# Altium PCB BMS.PcbDoc (part 2 of 2)
Units mil, origin at the board's own origin, x right, y up, seen from the top; angles counter-clockwise.
Board outline 3724.71 x 1020 mil, 4 copper layers (Component Side, Ground Plane, Power Plane, Solder Side), stack 33.234 mil thick; 191 components, 131 nets, 588 pads, 557 vias.
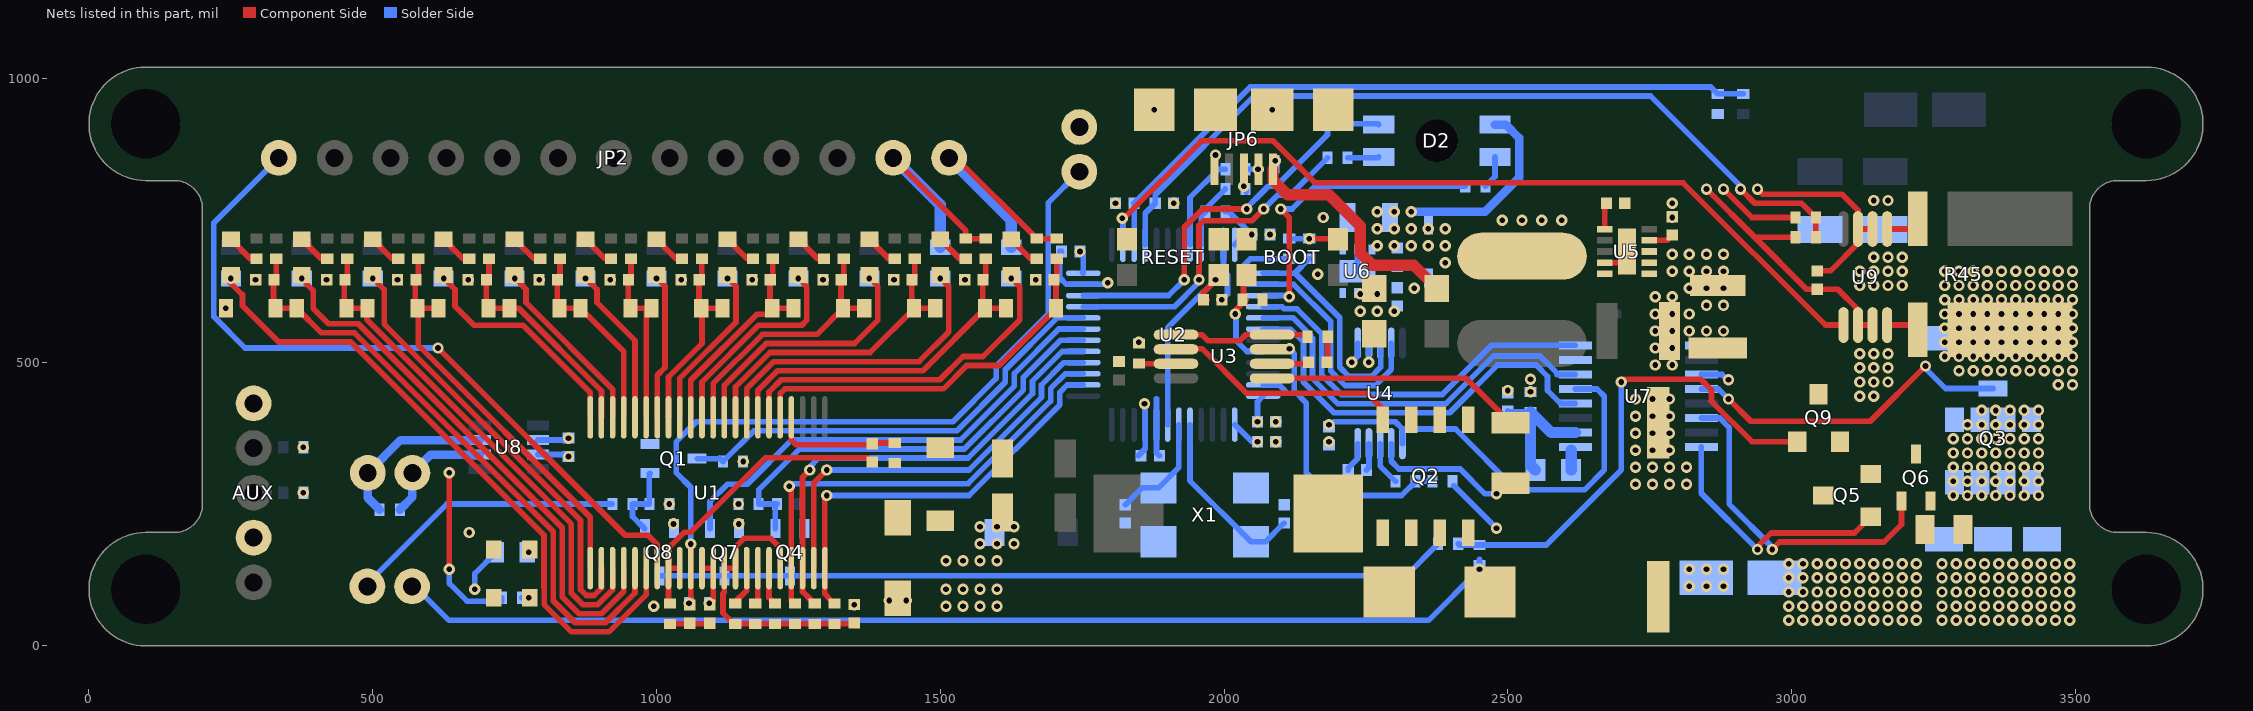
[diagram p4: the nets of this part, all layers, seen from the top]

## Via types
v1: diameter 20, hole 10, Component Side to Solder Side, 556 vias
v2: diameter 20, hole 10, Component Side to Solder Side, tented top, 1 vias

## Nets (pads, with @x,y where several pads share a name; then routed paths per layer and width w, separated by ;. In a path a pad name is that pad's centre, name@x,y a point inside that pad or via, vN(x,y) a via of type N, cw(c..) or ccw(c..) an arc to the next point about the centre after c; other vN are vias at no path point) (continued)
CELL11: JP2.12 R32_11.2 R33_11.2 R34_11.2 | length 422
  Component Side w10: JP2.12@1417.13,860 1545,732.13 R34_11.2@1545,717.72 R32_11.2@1580,717.72
  Solder Side w20: JP2.12@1417.13,860 1500,777.13 R33_11.2@1500,702.56
CELL12: JP2.13 R32_12.2 R33_12.2 R34_12.2 | length 451.2
  Component Side w10: JP2.13@1515.55,860 1527.72,860 R34_12.2@1670,717.72 R32_12.2@1705,717.72
  Solder Side w20: JP2.13@1515.55,860 1625,750.55 R33_12.2@1625,702.56
CHARGE_GATE: Q5.1 U7.16 | length 447.6
  Component Side w10: v1(2940,170) 2940,175 2964,199 3110.77,199 Q5.1@3139.37,227.6
  Solder Side w10: U7.16@2841,350.43 2841,269 v1(2940,170)
GND: AUX.1 C1.1 C3.1 C4.1 C5.1 C6.1 C7.1 C8.1 C9.1 C10.1 C11.1 C12.2 C13.1 C14.1 C16.1 C17.1 C18.1 C19.1 C20.2 C21.1 C22_1.1 C22_2.1 C22_3.1 C22_4.1 C22_5.1 C22_6.1 C22_7.1 C22_8.1 C22_9.1 C22_10.1 C22_11.1 C22_12.1 C23.1 C24.1 C25.1 C26.1 C27.1 C28.1 C30.1 C31.1 C32.1 D1.2 D3.2 D5.2 D6.C D7_1.2 D11.2 D12.C D13.2 D14.2 F1.1 F2.1 JP1.2 JP2.1 JP6.GND JP6.MT1 JP6.MT2 JP6.P$1 JP6.P$2 Q1.2 Q4.2 Q7.2 Q8.2 R8.1 R18.2 R22.1 R23.1 R26.1 R27.2 R29.1 R37.1 R41.1 RESET.3 RESET.4 U1.29 U2.8 U2.23 U2.35 U2.47 U3.4 U3.5 U4.2 U4.4 U4.6 U5.1 U5.9 U5.11 U6.2 U6.6 U6.7@2235,660 U7.7 U7.9 U8.2 U9.2 U9.3 X1.2 | length 3016.3
  Component Side w10: v1(615,525) 945,195 985,195 1001.42,178.58 U1.29@1001.42,137.13 ; R8.1@1023.6,39.01 1092.38,39.01 C4.1@1093.6,40.23 ; U3.5@1915.35,548.39 1960.92,548.39 1971.3,538 2028,538 2038.39,548.39 U3.4@2084.65,548.39 2143.9,548.39 R26.1@2147.28,545 ; U5.9@2671.02,675.31 2705.31,675.31 2710,680 U5.11@2710,695 ; v1(2880,805) 2930,755 R23.1@3007.28,755 ; v1(2940,805) 2949,796 3089,796 3117.2,767.8 U9.3@3117.2,734.65 ; C32.1@3045,660.83 3068.52,660.83 3117.2,709.51 U9.3@3117.2,734.65 ; U9.2@3142.8,734.65 U9.3@3117.2,734.65
  Solder Side w10: JP2.1@334.45,860 220,745.55 220,580 275,525 v1(615,525) ; U8.2@791.18,362.8 841.65,362.8 v1(845,366.14) ; C9.1@1713.86,695 1710.5,695 1710.5,648.76 1722.21,637.05 U2.23@1752.01,637.05 1797.05,637.05 1797.05,637.95 v1(1795,640) ; 1880.95,435.31 1880.95,433.75 1881,433.7 1881,390.05 U2.8@1880.95,390 1880.95,340.2 C10.1@1886.14,335 ; v1(1996.14,610) 2006,619.86 2006,653.7 1999.06,660.64 U2.35@1999.06,706.93 ; U2.47@2068.94,459.88 2097.36,459.88 2108,449.24 ; v1(2225,500) 2235.63,510.63 U4.6@2235.63,533.58 ; U6.7@2235,660 U6.2@2235,698.39 ; C18.1@2251.14,310 2255.31,314.17 U4.4@2255.31,356.42 ; U4.2@2294.69,356.42 2294.69,325.31 2308.17,311.83 2416.13,311.83 2459.96,268 v1(2480,268)
  other v1: 2995,45 3020,45 3045,45 3070,45 3095,45 3120,45 3145,45 3170,45 3195,45 3220,45 995,70 1510,70 1540,70 1570,70 1600,70 2995,70 3020,70 3045,70 3070,70 3095,70 3120,70 3145,70 3170,70 3195,70 3220,70 1348.6,72.47 2995,95 3020,95 3045,95 3070,95 3095,95 3120,95 3145,95 3170,95 3195,95 3220,95 1510,100 1540,100 1570,100 1600,100 2995,120 3020,120 3045,120 3070,120 3095,120 3120,120 3145,120 3170,120 3195,120 3220,120 2995,145 3020,145 3045,145 3070,145 3095,145 3120,145 3145,145 3170,145 3195,145 3220,145 1510,150 1540,150 1570,150 1600,150 1570,180 1600,180 1630,180 670,200 1570,210 1600,210 1630,210 1030,215 1145,215 1022.72,250 1144.57,250 2725,285 2755,285 2785,285 2815,285 2725,315 2755,315 2785,315 2815,315 2725,345 2755,345 2785,345 2091.14,360 2185,360 2725,375 2755,375 2785,375 2091.14,395 2725,405 2755,405 2785,405 2725,435 2755,435 2785,435 3120,440 3145,440 2500,450 3120,465 3145,465 3170,465 3120,490 3145,490 3170,490 2760,495 2790,495 3120,515 3145,515 3170,515 2760,525 2790,525 1850,535 2760,555 2790,555 2820,555 2850,555 2880,555 2760,585 2790,585 2820,585 241.1,595 2760,615 2790,615 2335,630 3120,635 3145,635 3170,635 3195,635 293.5,645 418.5,645 543.5,645 668.5,645 793.5,645 918.5,645 1043.5,645 1168.5,645 1293.5,645 1418.5,645 1543.5,645 1668.5,645 2165,655 3120,660 3145,660 3170,660 3195,660 2390,675 3145,685 3170,685 3195,685 2390,705 2081.14,725 2390,735 2490,750 2525,750 2560,750 2595,750 2175,755 2790,755 1808.86,780 1911.14,780 2790,780 3145,785 3170,785 1985,865 1877,945 2085,945
I2C.SCL: R15.1 U2.38 U4.9 | length 564.4
  Solder Side w10: R15.1@2115,682.28 2046.38,682.28 2027.43,663.33 2027.43,650.14 2040.52,637.05 U2.38@2068.94,637.05 2122.65,637.05 2188,571.7 2188,484.37 2213.37,459 2250.93,459 2266.3,458.98 ; 2266.33,459 2266.63,459 2294.69,487.06 U4.9@2294.69,533.58
I2C.SDA: R14.1 U2.37 U4.8 | length 418.6
  Solder Side w10: U2.37@2068.94,656.73 2125.59,656.73 ; R14.1@2150,682.28 2150,682.04 2125.59,657.64 2125.59,656.73 ; U4.8@2275,533.58 2275,509.7 2276,508.7 2276,491.3 2259.67,474.98 2258.63,474.98 2220,475 2204,491 2204,578.33 2125.59,656.73
L+: Q3.2 R38.1
  other v1: 3265,45 3290,45 3315,45 3340,45 3365,45 3390,45 3415,45 3440,45 3465,45 3490,45 3265,70 3290,70 3315,70 3340,70 3365,70 3390,70 3415,70 3440,70 3465,70 3490,70 3265,95 3290,95 3315,95 3340,95 3365,95 3390,95 3415,95 3440,95 3465,95 3490,95 3265,120 3290,120 3315,120 3340,120 3365,120 3390,120 3415,120 3440,120 3465,120 3490,120 3265,145 3290,145 3315,145 3340,145 3365,145 3390,145 3415,145 3440,145 3465,145 3490,145 3285,265 3310,265 3335,265 3360,265 3385,265 3410,265 3435,265 3285,290 3310,290 3335,290 3360,290 3385,290 3410,290 3435,290 3285,315 3310,315 3335,315 3360,315 3385,315 3410,315 3435,315 3285,340 3310,340 3335,340 3360,340 3385,340 3410,340 3435,340 3285,365 3310,365 3335,365 3360,365 3385,365 3410,365 3435,365 3310,390 3335,390 3360,390 3385,390 3410,390 3435,390 3335,415 3360,415 3385,415 3410,415 3435,415
LED_B: R20.1 U2.39 | length 549.8
  Component Side w10: v1(2100,770) 2115,755 v1(2115,615)
  Solder Side w10: U2.39@2068.94,617.36 2112.64,617.36 v1(2115,615) ; v1(2100,770) 2120,770 2160,810 R20.1@2425,810
LED_G: R19.1 U2.21 | length 594.3
  Component Side w10: v1(1956,645) 1956,741 1964,749 2048.7,749 v1@2069,769.3
  Solder Side w10: U2.21@1752.31,597.68 1912.68,597.68 1956,641 v1(1956,645) ; v1@2071.17,771.17 2094,794 2116.28,794 R19.1@2182.28,860
  other v1: 2070,770
LED_R: R25.1 U2.22 | length 625.2
  Component Side w10: v1(1930,645) 1930,737.63 1962.37,770 v1(2040,770)
  Solder Side w10: U2.22@1752.01,617.36 1902.36,617.36 v1(1930,645) ; v1(2040,770) 2037.96,770 2051.13,783.17 2057.57,789.62 2077.96,810 2091.42,810 2182.28,900.86 R25.1@2182.28,920
LOAD_GATE: Q3.1 U7.12 | length 596.8
  Component Side w10: v1(2889,435) 2928,396 3138.67,396 v1(3236,493.33)
  Solder Side w10: U7.12@2841,452.8 2871.2,452.8 v1(2889,435) ; v1(3236,493.33) 3236,489 3271.42,453.58 Q3.1@3355,453.58
NetBOOT_2: BOOT.2 R18.1 U2.44 | length 173.9
  Component Side w10: v1(2020,585) 2020,591.42 2038.58,610 2034.29,610 BOOT.2@2034.29,638.5
  Solder Side w10: v1@2020,590.43 v1(2020,585) 2021,584 2021,538.45 2040.52,518.94 U2.44@2068.94,518.94
NetC2_2: C2.2 R5.1 U1.4 | length 228.2
  Component Side w10: U1.4@1237.64,402.87 1237.64,362.36 1245.53,354.47 1380,354.47 1380,355.75 1381.97,357.72 R5.1@1420,357.72
NetC3_2: C3.2 R1.1 R2.1 R3.1 R6.2 R7.2 R9.2 U1.35 U1.36 U1.40 | length 505.1
  Component Side w10: U1.40@1217.95,137.13 1217.95,172.44 1200.39,190 1155,190 1139.21,174.21 U1.36@1139.21,137.13 U1.35@1119.53,137.13 1119.53,94.53 1117.03,92.03 1117.03,57.97 1135.99,39.01 R1.1@1243.86,39.01 1346.63,39.01 C3.2@1348.6,40.98
NetC4_2: C4.2 R4.2 U1.33 U1.34 | length 87.7
  Component Side w10: U1.33@1080.16,137.13 U1.34@1099.84,137.13 1099.84,77.97 C4.2@1093.6,71.72
  other v1: 1092.72,75
NetC5_2: C5.2 U2.5 X1.1 | length 323.1
  Solder Side w10: U2.5@1940,390 1940,290.86 X1.1@2047.36,183.5 2073.01,183.5 C5.2@2105.86,216.35
NetC6_2: C6.2 U2.6 X1.3 | length 197.3
  Solder Side w10: C6.2@1825.86,248.64 1855.72,278.5 X1.3@1884.36,278.5 1920.32,314.45 U2.6@1920.32,390
NetC12_1: C12.1 RESET.1 U2.7 | length 337.1
  Component Side w10: C12.1@1970,610 1963.86,616.14 1963.86,623.86 1964,624 1964.7,624 1985,644.3 v1(1985,645)
  Solder Side w10: U2.7@1900.63,390 1900.63,560.63 1964,624 1964.7,624 1977,636.3 1977,637 v1(1985,645)
NetC13_2: C13.2 R21.2 R22.2 U2.27 | length 1237.1
  Solder Side w10: U2.27@1841.58,706.93 1841.58,779.57 C13.2@1841.14,780 2046.14,985 2857.72,985 R22.2@2870,972.72 R21.2@2915,972.72
NetC14_2: C14.2 R23.2 R24.1 U2.28 | length 1458.1
  Component Side w10: v1(2910,805) 2935,780 3017.72,780 R23.2@3042.72,755 R24.1@3042.72,720
  Solder Side w10: U2.28@1861.26,706.93 1861.26,762.4 C14.2@1878.86,780 1878.86,795.09 2052.77,969 2751.3,969 2910,810.3 v1(2910,805)
NetC15_1: C15.1 R26.2 | length 45.7
  Component Side w10: C15.1@2181.14,500 2182.72,501.57 R26.2@2182.72,545
NetC15_2: C15.2 U3.2 | length 65.4
  Component Side w10: U3.2@2084.65,497.2 2146.06,497.2 C15.2@2148.86,500
NetC18_2: C18.2 U4.5 | length 53.4
  Solder Side w10: C18.2@2218.86,310 2218.86,313.35 2235.63,330.12 U4.5@2235.63,356.42
NetC22_1_2: C22_1.2 D7_1.1 D7_2.2 R32_1.1 U1.27 | length 1091.3
  Component Side w10: D7_1.1@328.9,595 325,598.9 325,645 330,650 R32_1.1@330,682.28 ; D7_1.1@329.39,595 D7_1.1@330.65,595 ; D7_1.1@330.02,595.63 D7_1.1@330.65,595 ; U1.27@962.05,137.13 962.05,92.99 909.78,40.72 856.83,40.72 817.93,79.62 817.93,201.56 467.83,551.66 409.44,551.66 D7_2.2@366.1,595 D7_1.1@330.65,595
NetC22_2_2: C22_2.2 D7_2.1 D7_3.2 R32_2.1 U1.25 | length 898.1
  Component Side w10: D7_2.1@453.9,595 450,598.9 450,645 455,650 R32_2.1@455,682.28 ; D7_2.1@454.39,595 D7_3.2@491.1,595 ; D7_3.2@489.22,583.66 489.22,575.52 849.93,214.81 849.93,92.88 870.09,72.72 896.53,72.72 922.68,98.87 U1.25@922.68,137.13
NetC22_3_2: C22_3.2 D7_3.1 D7_4.2 R32_3.1 U1.23 | length 711.8
  Component Side w10: D7_3.1@578.9,595 575,598.9 575,645 580,650 R32_3.1@580,682.28 ; D7_3.1@579.39,595 D7_3.1@580.02,595 ; D7_3.1@580.02,595.63 D7_3.1@580.02,595 ; D7_4.2@616.1,595 D7_3.1@580.02,595 ; U1.23@883.31,137.13 883.31,226.69 580.02,529.98 D7_3.1@580.02,595
NetC22_4_2: C22_4.2 D7_4.1 D7_5.2 R32_4.1 U1.21 | length 397.3
  Component Side w10: D7_4.1@703.9,595 700,598.9 700,645 705,650 R32_4.1@705,682.28 ; D7_4.1@704.39,595 D7_4.1@705.65,595 ; D7_4.1@705.02,595.63 D7_4.1@705.65,595 ; U1.21@902.99,402.87 902.99,449.38 757.37,595 D7_5.2@741.1,595 D7_4.1@705.65,595
NetC22_5_2: C22_5.2 D7_5.1 D7_6.2 R32_5.1 U1.19 | length 352.3
  Component Side w10: D7_5.1@828.9,595 825,598.9 825,645 830,650 R32_5.1@830,682.28 ; D7_5.1@829.39,595 D7_5.1@830.02,595 ; D7_5.1@830.02,595.94 D7_5.1@830.02,595 ; U1.19@942.36,402.87 942.36,518.74 D7_6.2@866.1,595 D7_5.1@830.02,595
NetC22_6_2: C22_6.2 D7_6.1 D7_7.2 R32_6.1 U1.17 | length 327.3
  Component Side w10: D7_6.1@953.9,595 950,598.9 950,645 955,650 R32_6.1@955,682.28 ; D7_6.1@954.39,595 D7_6.1@955.02,595 ; D7_6.1@955.02,589 D7_6.1@955.02,595 ; U1.17@981.73,402.87 D7_7.2@981.73,595 ; D7_7.2@991.1,595 D7_7.2@981.73,595 ; D7_6.1@955.02,595 955.02,595.63 D7_6.1@955.65,595 ; D7_6.1@955.02,595 D7_6.1@955.65,595 ; D7_6.1@955.65,595 D7_7.2@981.73,595
NetC22_7_2: C22_7.2 D7_7.1 D7_8.2 R32_7.1 U1.15 | length 345.2
  Component Side w10: U1.15@1021.1,402.87 1021.1,473.98 1080.02,532.91 D7_7.1@1080.02,595 ; D7_7.1@1078.9,595 1075,598.9 1075,645 1080,650 R32_7.1@1080,682.28 ; D7_7.1@1079.39,595 D7_7.1@1080.02,595 ; D7_7.1@1080.02,595.94 D7_7.1@1080.02,595 ; D7_8.2@1116.1,595 D7_7.1@1080.02,595
NetC22_8_2: C22_8.2 D7_8.1 D7_9.2 R32_8.1 U1.13 | length 390.3
  Component Side w10: U1.13@1060.47,402.87 1060.47,468.1 1176.65,584.28 1193.67,584.28 D7_8.1@1205.02,595.63 ; D7_8.1@1203.9,595 1200,598.9 1200,645 1205,650 R32_8.1@1205,682.28 ; D7_8.1@1204.39,595 D7_9.2@1241.1,595
NetC22_9_2: C22_9.2 D7_9.1 D7_10.2 R32_9.1 U1.11 | length 471.6
  Component Side w10: U1.11@1099.84,402.87 1099.84,462.21 1186.63,549 1282.9,549 D7_9.1@1328.9,595 ; R32_9.1@1330,682.28 1330,650 1325,645 1325,598.9 D7_9.1@1328.9,595 ; D7_10.2@1366.1,595 D7_9.1@1328.9,595
NetC22_10_2: C22_10.2 D7_10.1 D7_11.2 R32_10.1 U1.9 | length 554.6
  Component Side w10: U1.9@1139.21,402.87 1139.21,456.33 1199.88,517 1376.39,517 D7_10.1@1455.02,595.63 ; D7_10.1@1453.9,595 1450,598.9 1450,645 1455,650 R32_10.1@1455,682.28 ; D7_10.1@1454.39,595 D7_11.2@1491.1,595
NetC22_11_2: C22_11.2 D7_11.1 D7_12.2 R32_11.1 U1.7 | length 637.3
  Component Side w10: U1.7@1178.58,402.87 1178.58,450.45 1213.14,485 1469.39,485 D7_11.1@1579.39,595 ; D7_11.1@1580.02,595.63 D7_11.1@1579.39,595 ; R32_11.1@1580,682.28 1580,650 1575,645 1575,598.9 D7_11.1@1578.9,595 D7_11.1@1579.39,595 ; D7_12.2@1616.1,595 D7_11.1@1579.39,595
NetC22_12_2: C22_12.2 D7_12.1 R32_12.1 U1.5 | length 682.7
  Component Side w10: U1.5@1217.95,402.87 1217.95,444.56 1226.39,453 1505.63,453 1546.63,494 1604,494 1705.02,595.02 D7_12.1@1705.02,595.63 ; D7_12.1@1703.9,595 1703.9,641.1 1700,645 1705,650 R32_12.1@1705,682.28
NetC24_2: C24.2 U5.6 | length 46.8
  Component Side w10: U5.6@2671.02,734.37 2671.02,777.17 C24.2@2673.86,780
NetC25_2: C25.2 U5.4 | length 44.8
  Component Side w10: U5.4@2748.98,714.69 2780.83,714.69 C25.2@2790,723.86
NetC26_2: C26.2 D9.1 D10.1 U6.4 U6.5
  other v1: 2240,590 2270,590 2300,590 2240,620 2270,620
NetC29_1: C29.1 C30.2 R39.2 U7.2 | length 240.6
  Solder Side w10: C30.2@2500,414.25 2501.97,412.28 R39.2@2540,412.28
  Solder Side w20: C29.1@2548.5,310 2540,318.5 R39.2@2540,412.28 2576.26,376.02 U7.2@2619,376.02
NetC29_2: C29.2 U7.1 | length 35
  Solder Side w20: C29.2@2611.5,310 U7.1@2611.5,345
NetD1_1: D1.1 L1.2 R5.2
NetD2_1: D2.1 R25.2 | length 55.5
  Solder Side w10: R25.2@2217.72,920 2271.18,920 D2.1@2272.64,918.54
NetD2_3: D2.3 R20.2 | length 58.5
  Solder Side w10: R20.2@2460.43,810 2477.36,826.93 D2.3@2477.36,861.46
NetD2_4: D2.4 R19.2 | length 55.5
  Solder Side w10: R19.2@2217.72,860 2271.18,860 D2.4@2272.64,861.46
NetD4_1: D4.1 L2.2 Q2.3
NetD6_A: D6.A R31.1 | length 2.4
  Solder Side w10: R31.1@772.56,165 v1(775,165)
NetD8_1_A: D8_1.A R34_1.1 | length 59.2
  Component Side w10: D8_1.A@250,716.5 284.21,682.28 R34_1.1@295,682.28
NetD8_1_C: D8_1.C R33_1.1 U1.28 | length 1154.7
  Component Side w10: D8_1.C@248.63,649.57 248.63,640.23 269.47,619.39 270.61,619.39 270.61,599.39 334.34,535.66 461.2,535.66 801.72,195.14 801.72,102.95 801.93,102.74 801.93,73 850.2,24.72 916.41,24.72 981.73,90.04 U1.28@981.73,137.13
  other v1: 250,647.44
NetD8_2_A: D8_2.A R34_2.1 | length 59.2
  Component Side w10: D8_2.A@375,716.5 409.21,682.28 R34_2.1@420,682.28
NetD8_2_C: D8_2.C R33_2.1 U1.26 | length 962.6
  Component Side w10: D8_2.C@372.24,648.94 395,626.17 395,595 422.34,567.66 474.46,567.66 833.93,208.19 833.93,86.25 863.46,56.72 903.16,56.72 942.36,95.93 U1.26@942.36,137.13
  other v1: 375,647.44
NetD8_3_A: D8_3.A R34_3.1 | length 59.2
  Component Side w10: D8_3.A@500,716.5 534.21,682.28 R34_3.1@545,682.28
NetD8_3_C: D8_3.C R33_3.1 U1.24 | length 784.5
  Component Side w10: D8_3.C@498.63,649.57 520,628.2 520,567.37 865.93,221.44 865.93,99.51 876.71,88.72 889.9,88.72 902.99,101.81 U1.24@902.99,137.13
  other v1: 500,647.44
NetD8_4_A: D8_4.A R34_4.1 | length 59.2
  Component Side w10: D8_4.A@625,716.5 659.21,682.28 R34_4.1@670,682.28
NetD8_4_C: D8_4.C R33_4.1 U1.22 | length 404.7
  Component Side w10: D8_4.C@623.63,649.57 645,628.2 645,598.63 678.63,565 764.75,565 883.31,446.44 U1.22@883.31,402.87
  other v1: 625,647.44
NetD8_5_A: D8_5.A R34_5.1 | length 59.2
  Component Side w10: D8_5.A@750,716.5 784.21,682.28 R34_5.1@795,682.28
NetD8_5_C: D8_5.C R33_5.1 U1.20 | length 319.1
  Component Side w10: D8_5.C@748.63,649.88 770,628.51 770,605 922.68,452.32 U1.20@922.68,402.87
  other v1: 750,647.44
NetD8_6_A: D8_6.A R34_6.1 | length 59.2
  Component Side w10: D8_6.A@875,716.5 909.21,682.28 R34_6.1@920,682.28
NetD8_6_C: D8_6.C R33_6.1 U1.18 | length 283.3
  Component Side w10: D8_6.C@873.63,649.57 895,628.2 895,605 962.05,537.95 U1.18@962.05,402.87
  other v1: 875,647.44
NetD8_7_A: D8_7.A R34_7.1 | length 59.2
  Component Side w10: D8_7.A@1000,716.5 1034.21,682.28 R34_7.1@1045,682.28
NetD8_7_C: D8_7.C R33_7.1 U1.16 | length 259.4
  Component Side w10: D8_7.C@998.63,649.88 1015,633.51 1015,490.51 1001.42,476.93 U1.16@1001.42,402.87
  other v1: 1000,647.44
NetD8_8_A: D8_8.A R34_8.1 | length 59.2
  Component Side w10: D8_8.A@1125,716.5 1159.21,682.28 R34_8.1@1170,682.28
NetD8_8_C: D8_8.C R33_8.1 U1.14 | length 294.6
  Component Side w10: U1.14@1040.79,402.87 1040.79,471.04 1140,570.26 1140,633.2 D8_8.C@1123.63,649.57
  other v1: 1125,647.44
NetD8_9_A: D8_9.A R34_9.1 | length 59.2
  Component Side w10: D8_9.A@1250,716.5 1284.21,682.28 R34_9.1@1295,682.28
NetD8_9_C: D8_9.C R33_9.1 U1.12 | length 374.5
  Component Side w10: U1.12@1080.16,402.87 1080.16,465.16 1180,565 1255.89,565 1265,574.11 1265,632.44 v1(1250,647.44) 1248.63,648.81 D8_9.C@1248.63,649.57
NetD8_10_A: D8_10.A R34_10.1 | length 59.2
  Component Side w10: D8_10.A@1375,716.5 1409.21,682.28 R34_10.1@1420,682.28
NetD8_10_C: D8_10.C R33_10.1 U1.10 | length 456.7
  Component Side w10: U1.10@1119.53,402.87 1119.53,459.27 1193.25,533 1348.89,533 1390,574.11 1390,633.2 D8_10.C@1373.63,649.57
  other v1: 1375,647.44
NetD8_11_A: D8_11.A R34_11.1 | length 59.2
  Component Side w10: D8_11.A@1500,716.5 1534.21,682.28 R34_11.1@1545,682.28
NetD8_11_C: D8_11.C R33_11.1 U1.8 | length 551.1
  Component Side w10: U1.8@1158.9,402.87 1158.9,453.39 1206.51,501 1462.77,501 1515,553.23 1515,633.2 D8_11.C@1498.63,649.57
  other v1: 1500,647.44
NetD8_12_A: D8_12.A R34_12.1 | length 59.2
  Component Side w10: D8_12.A@1625,716.5 1659.21,682.28 R34_12.1@1670,682.28
NetD8_12_C: D8_12.C R33_12.1 U1.6 | length 620.8
  Component Side w10: U1.6@1198.27,402.87 1198.27,447.5 1219.76,469 1499,469 1540,510 1575.4,510 1640,574.6 1640,633.2 D8_12.C@1623.63,649.57
  other v1: 1625,647.44
NetD12_A: D12.A R35.1 | length 12.3
  Solder Side w10: R35.1@762.72,85 v1(775,85)
NetJP3_1: JP3.1 R44.2 U8.7 | length 295.2
  Solder Side w15: R44.2@512.28,240 491.26,261.02 JP3.1@491.26,305 549.06,362.8 U8.7@688.82,362.8
NetJP3_2: JP3.2 R44.1 U8.6 | length 206.4
  Solder Side w15: R44.1@547.72,240 570,262.28 JP3.2@570,305 602.2,337.2 U8.6@688.82,337.2
NetJP4_1: R40.2 SWITCH.1 | length 489.6
  Solder Side w10: SWITCH.1@490.63,110 630.63,250 R40.2@922.28,250
NetL3_1: L3.1 U5.10
NetL4_1: L4.1 U6.1
NetQ1_1: Q1.1 Q8.1 R40.1 R41.2 | length 136.9
  Solder Side w10: Q8.1@979.41,206.54 957.72,228.23 R40.1@957.72,250 R41.2@987.28,250 987.28,303.23 Q1.1@988.46,304.41
NetQ2_1: Q2.2 U3.6 | length 424.7
  Component Side w10: U3.6@1919.24,526 1921.4,523.84 1961.16,523.84 2040,445 2252.16,445 2280,417.16 Q2.2@2280,398.33
NetQ2_3: Q2.1 R29.2 U3.1 | length 469.5
  Component Side w10: U3.1@2084.65,471.61 2426.54,471.61 R29.2@2505,393.15 ; Q2.1@2330,398.33 Q2.1@2330,415
NetQ4_1: Q4.1 R36.1 R37.2 U2.18 | length 796.1
  Solder Side w10: Q4.1@1209.41,206.54 1209.41,247.13 R36.1@1212.28,250 R37.2@1180,250 1180,275 1252,347 1542.25,347 1646.5,451.24 1646.5,473.3 1711.82,538.62 U2.18@1752.01,538.62
NetQ4_3: Q4.3 Q7.3 Q8.3 R43.1 | length 1395.7
  Solder Side w10: Q8.3@1005,123.46 Q7.3@1120,123.46 Q4.3@1235,123.46 2320.75,123.46 R43.1@2377.28,180
NetQ6_2: Q6.2 R38.2
NetQ7_1: Q7.1 U2.19 | length 844.3
  Solder Side w10: Q7.1@1094.41,206.54 1094.41,254.41 1125,285 1160,285 1238,363 1535.63,363 1630.5,457.87 1630.5,479.93 1708.87,558.31 U2.19@1752.01,558.31
NetQ9_1: Q9.1 R42.1 R43.2 | length 867.4
  Component Side w10: v1(2700,465) 2705,470 2840,470 2859,451 2859,431 2930,360 Q9.1@3010,360
  Solder Side w10: R43.2@2412.72,180 2415,177.72 R42.1@2450,177.72 2567.72,177.72 2700,310 v1(2700,465)
NetR6_1: R6.1 U1.39 | length 67.1
  Component Side w10: U1.39@1198.27,137.13 1198.27,85.06 R6.1@1208.88,74.44
NetR7_1: R7.1 U1.37 | length 71
  Component Side w10: R7.1@1138.86,74.44 1138.86,77.78 1158.9,97.82 U1.37@1158.9,137.13
NetR9_1: R9.1 U1.38 | length 64.6
  Component Side w10: R9.1@1173.86,74.44 1178.58,79.16 U1.38@1178.58,137.13
NetR10_1: R10.1 U2.32 | length 166.1
  Solder Side w10: U2.32@1940,706.93 1940,790 1990,840 R10.1@2002.28,840
NetR11_1: R11.1 R12.2 U2.33 | length 115.7
  Solder Side w10: U2.33@1959.69,706.93 1959.69,757.4 R12.2@1967.28,765 1967.28,770 R11.1@2002.28,805
NetR27_1: R27.1 U3.7 | length 65.4
  Component Side w10: R27.1@1850,497.28 1915.28,497.28 U3.7@1915.35,497.2
NetR28_1: R28.1 U4.3 | length 77.7
  Solder Side w10: U4.3@2275,356.42 2275,317.28 R28.1@2302.28,290
NetR28_2: R28.2 R30.1 U3.3 | length 479.7
  Solder Side w10: v1(2115.45,523.53) 2124,514.98 2124,448.99 2145,427.99 2145,305.39 2185.39,265 2312.72,265 R28.2@2337.72,290 R30.1@2367.28,290
NetR45_3: R45.3 U9.8 | length 57.2
  Component Side w10: U9.8@3168.39,565.35 3214.25,565.35 R45.3@3222.24,557.36
NetR45_4: R45.4 U9.1 | length 61.3
  Component Side w10: U9.1@3168.39,734.65 3204.25,734.65 R45.4@3222.24,752.64
NetU2_26: U2.26 U9.5 | length 1513
  Component Side w10: v1(1820.58,753.76) 1823.76,753.76 1960,890 2086.74,890 2160.74,816 2809,816 3059.65,565.35 U9.5@3091.61,565.35
  Solder Side w10: v1(1820.58,753.76) 1822.46,753.76 1825,751.22 1821.89,748.11 U2.26@1821.89,706.93
NetU2_40: U2.40 U7.8 | length 692.7
  Solder Side w10: U2.40@2068.94,597.68 2102.32,597.68 2106.01,593.99 2128.64,593.99 2172,550.63 2172,477.75 2206.75,443 2244.31,443 ; 2244.33,442.98 2272.93,442.98 2384.37,443 2470.94,529.57 U7.8@2619,529.57
NetU2_41: U2.41 U7.6 | length 705.2
  Solder Side w10: U2.41@2068.94,577.99 2122.01,577.99 2152.45,547.55 2152.45,545.53 2156,541.98 2156,471.12 2200.12,427 2237.68,427 2279.56,426.98 ; 2279.58,427 2391,427 2475,511 2556.63,511 2586,481.63 2586,479 2586.61,478.39 U7.6@2619,478.39
NetU2_42: U2.42 U7.4 | length 730.1
  Solder Side w10: U2.42@2068.94,558.31 2069.24,558 2117.35,558 2140,535.35 2140,464.49 2193.49,411 2231.05,411 ; 2231.08,410.98 2286.18,410.98 2397.63,411 2481.63,495 2550,495 2570,475 2570,450 2592.8,427.2 U7.4@2619,427.2
NTC1: C1.2 JP1.1 R4.1 U1.32 | length 1335
  Component Side w10: C1.2@1058.6,71.72 1060.47,73.6 U1.32@1060.47,137.13 v1(1060.47,179.51) v1@1060.96,180
  Solder Side w10: v1(1060.47,179.51) 1060.47,279.53 1035,305 1035,360 1070,395 1522.37,395 1598.5,471.12 1598.5,493.5 1690,585 1690,780.63 JP1.1@1745,835.63
  other v1: 1057.28,75
POWER_BTN: Q1.3 R13.1 U2.20 | length 800.3
  Solder Side w10: Q1.3@1071.54,330 1112.28,330 R13.1@1117.28,325 1171.28,379 1529,379 1614.5,464.5 1614.5,486.56 1705.93,577.99 U2.20@1752.01,577.99
PRECHARGE_GATE: Q6.1 U7.14 | length 590.3
  Component Side w10: v1(2966,170) 2965.63,170 2978.63,183 3163,183 3193.82,213.82 Q6.1@3193.82,255
  Solder Side w10: U7.14@2841,401.61 2873.39,401.61 2890,385 2890,250 2966,174 v1(2966,170)
SPI.CS: R3.2 U1.44 U2.14 | length 751.2
  Component Side w10: v1(1300,265) 1296.69,268.31 U1.44@1296.69,137.13 1296.69,91.85 1300.69,87.86 1300.69,87.35 R3.2@1313.6,74.44
  Solder Side w10: v1(1300,265) 1550.76,265 1710.5,424.73 1710.5,446.79 1723.59,459.88 U2.14@1752.01,459.88
SPI.MISO: U1.43 U2.16 | length 725.8
  Component Side w10: U1.43@1277.01,137.13 1277.01,287.01 v1(1300,310) ; v1@1299.92,315.38 v1@1300,315.3
  Solder Side w10: v1(1300,310) 1550.51,310 1678.5,437.99 1678.5,460.05 1717.7,499.25 U2.16@1752.01,499.25
SPI.MOSI: R2.2 U1.42 U2.17 | length 834.5
  Component Side w10: v1(1270,310) 1257.32,297.32 U1.42@1257.32,137.13 1257.32,95.98 1259,94.3 1259.24,94.3 1265.69,87.86 1265.69,87.61 R2.2@1278.86,74.44
  Solder Side w10: v1(1270,310) 1270,315.3 1285.7,331 1548.88,331 1662.5,444.61 1662.5,466.67 1714.76,518.94 U2.17@1752.01,518.94
SPI.SCK: R1.2 U1.41 U2.15 | length 824.1
  Component Side w10: v1(1233.87,281.13) 1237.64,277.36 U1.41@1237.64,137.13 1237.64,80.66 R1.2@1243.86,74.44
  Solder Side w10: v1(1233.87,281.13) 1238.75,286 1549.14,286 1694.5,431.36 1694.5,453.42 1720.64,479.57 U2.15@1752.01,479.57
USB.DM: JP6.D- R10.2 | length 22.3
  Solder Side w10: R10.2@2037.72,840 v1(2060,840)
USB.DP: JP6.D+ R11.2 | length 11.8
  Solder Side w10: v1(2035,810) 2039.37,805.63 R11.2@2039.37,800
V-: C2.1 R8.2 U1.30 U1.31 | length 546.4
  Component Side w10: R8.2@1023.6,74.44 1021.1,76.94 U1.30@1021.1,137.13 ; U1.31@1040.79,137.13 U1.30@1021.1,137.13 ; C2.1@1380,324.25 1372.87,331.38 1191.38,331.38 1060.51,200.51 1049.17,200.51 1021.1,172.44 U1.30@1021.1,137.13
VBB: Q3.3 Q5.3 Q6.3 R45.1
  other v1: 3470,460 3495,460 3295,485 3320,485 3345,485 3370,485 3395,485 3420,485 3445,485 3470,485 3495,485 3270,510 3295,510 3320,510 3345,510 3370,510 3395,510 3420,510 3445,510 3470,510 3495,510 3270,535 3295,535 3320,535 3345,535 3370,535 3395,535 3420,535 3445,535 3470,535 3495,535 3270,560 3295,560 3320,560 3345,560 3370,560 3395,560 3420,560 3445,560 3470,560 3495,560 3270,585 3295,585 3320,585 3345,585 3370,585 3395,585 3420,585 3445,585 3470,585 3495,585 3270,610 3295,610 3320,610 3345,610 3370,610 3395,610 3420,610 3445,610 3470,610 3495,610 3270,635 3295,635 3320,635 3345,635 3370,635 3395,635 3420,635 3445,635 3470,635 3495,635 3270,660 3295,660 3320,660 3345,660 3370,660 3395,660 3420,660 3445,660 3470,660 3495,660
VCC: AUX.4 BOOT.3 BOOT.4 C7.2 C8.2 C9.2 C10.2 C11.2 C17.2 C28.2 C31.2 C32.2 D2.2 D13.1 L4.2 R12.1 R13.2 R14.2 R15.2 R16.2 R17.2 R24.2 R35.2 U2.1 U2.9 U2.24 U2.36 U2.48 U4.1 U4.7 U6.3 U7.5 U8.3 U9.6 U9.7 | length 2407.9
  Component Side w10: v1(635,135) v1(635,305) ; v1(2150,717.72) 2199.49,717.72 BOOT.3@2200.71,716.5 ; v1(2850,805) 2935,720 ; R24.2@3007.28,720 2935,720 ; U9.7@3142.8,565.35 U9.6@3117.2,565.35 3117.2,592.8 3081.46,628.54 C32.2@3045,628.54 3026.46,628.54 2935,720
  Solder Side w10: v1(635,135) 635,110 666,79 727.28,79 R35.2@727.28,85 ; U8.3@791.18,337.2 841.65,337.2 v1(845,333.86) ; v1(1746.14,695) 1752.01,689.13 U2.24@1752.01,656.73 U2.24@1750,658.74 ; C10.2@1848.86,335 1861.26,347.4 U2.9@1861.26,390 1861.26,421.62 1860,422.88 1860.88,423.75 1859.95,424.68 v1(1859.95,426.81) ; R12.1@2002.72,765 2008.86,765 v1(2048.86,725) 2036.81,725 U2.36@2018.74,706.93 ; U2.1@2018.74,390 2048.74,360 v1(2058.86,360) ; v1(2058.86,395) 2058.86,430.12 U2.48@2068.94,440.2 ; R15.2@2115,717.72 v1(2150,717.72) ; C17.2@2185,386.14 2193.83,394.98 2301.69,394.98 U4.1@2314.37,382.29 ; v1(2255,500) 2255,533.27 U4.7@2255.31,533.58 ; U4.1@2314.37,356.42 U4.1@2314.37,382.29 ; U7.5@2619,452.8 2657.2,452.8 2670,440 2670,310 2635,275 2515,275 2407.71,382.29 U4.1@2314.37,382.29
  Solder Side w15: v1(2330,765) 2460,765 2520,825 2520,895 2496.46,918.54 D2.2@2477.36,918.54
  other v1: 377.72,270 1152.72,325 377.72,350 2185,389.68 2270,705 2300,705 2330,705 2360,705 2270,735 2300,735 2330,735 2360,735 2270,765 2300,765
VDD: C23.2 L1.1 Q9.2 R31.2 R39.1 U5.2 U5.3 U7.11 | length 132.4
  Solder Side w10: v1(680,100) 680,127.56 R31.2@717.44,165 ; U7.11@2841,478.39 2877.61,478.39 2887,469 v1(2889,469)
  other v1: 1410,80 1440,80 2540,447.72 2850,600 2880,600 2820,630 2850,630 2880,630 2790,660 2820,660 2850,660 2880,660 2790,690 2820,690 2850,690 2880,690
  other v2: 2540,470
VOUT: C20.1 D4.2 D5.1 Q5.2 Q9.3 R30.2 R42.2 SWITCH.2 | length 2068.2
  Solder Side w10: SWITCH.2@569.37,110 634.37,45 2360,45 v1(2450,135) R42.2@2450,142.28 2450,152.28 ; R30.2@2405,282.28 v1(2480,207.28)
  other v1: 2820,105 2850,105 2880,105 2820,135 2850,135 2880,135
VUSB: D10.2 D14.1 JP6.VBUS | length 415.3
  Component Side w20: JP6.VBUS@2086.18,840 2086.18,820.59 2111.77,795 2185,795 2240,740 2240,692.23 2261.23,671 2334.12,671 D10.2@2375.12,630
  other v1: 2090,855
pads on no net: BOOT.1 D2.0 JP6.ID RESET.2 U1.1 U1.2 U1.3 U2.2 U2.3 U2.4 U2.10 U2.11 U2.12 U2.13 U2.25 U2.29 U2.34 U2.43 U4.10 U5.7 U5.8 U6.7@2217.28,660 U6.7@2252.72,660 U7.3 U7.10 U7.13 U7.15 U8.5 U8.8 U9.4

## Polygon pours and split planes (outlines as drawn)
GND on Solder Side "Top Layer-No Net" (solid, remove dead copper, pour order 31): -30,-80 2890,-80 2890,740 2965,815 2965,1050 -30,1050
GND on Component Side "Top Layer-No Net" (solid, remove dead copper, pour order 32): -60,1100 3000,1100 3000,195 2770,-35 0,-35 -65,30 -120,85 -120,965 -120,1040
VDD on Component Side "Top Layer-No Net" (solid, pour order 30): 3100,410 3100,530 2935,695 2925,705 2735,705 2735,670 2765,670 2815,620 2815,500 2905,410
C+ on Component Side "Top Layer-No Net" (solid, remove dead copper, pour order 28): 1715,390 1810,485 1965,485 1999.06,450.94 1999.06,390
GND on Ground Plane (split plane): 235 vertices, not listed, extent 20,20.03 3705,999.97
VDD on Power Plane (split plane): 3196.4,431.4 3198.05,430.29 3200,429.9 3239.8,429.9 3239.8,20.1 660.1,20.1 660.1,102.89 667.11,109.9 2160,109.9 2161.95,110.29 2163.6,111.4 2757.11,704.9 2922.89,704.9
L+ on Power Plane (split plane): 3504.9,250 3504.93,249.75 3505.25,243.13 3506.26,236.33 3507.93,229.66 3510.25,223.18 3513.19,216.96 3516.73,211.06 3520.82,205.54 3525.44,200.44 3530.54,195.82 3536.06,191.73 3541.96,188.19 3548.18,185.25 3554.66,182.93 3561.33,181.26 3568.13,180.25 3574.75,179.93 3575,179.9 3625,179.9 3625.63,179.97 3632.84,179.61 3640.61,178.46 3648.22,176.55 3655.61,173.91 3662.71,170.55 3669.44,166.51 3675.75,161.84 3681.57,156.57 3686.84,150.75 3691.51,144.44 3695.55,137.71 3698.91,130.61 3701.55,123.22 3703.46,115.61 3704.61,107.84 3705,100 3704.61,92.16 3703.46,84.39 3701.55,76.78 3698.91,69.39 3695.55,62.29 3691.51,55.56 3686.84,49.25 3681.57,43.43 3675.75,38.16 3669.44,33.49 3662.71,29.45 3655.61,26.09 3648.22,23.45 3640.61,21.54 3632.84,20.39 3625.63,20.03 3625,20.1 3250,20.1 3250,429.9 3504.9,429.9
5V on Power Plane (split plane): 2157.89,120.1 665,120.1 663.05,119.71 661.4,118.6 651.4,108.6 650.29,106.95 649.9,105 649.9,20.1 205.1,20.1 205.1,102.89 247.11,144.9 375,144.9 376.95,145.29 378.6,146.4 507.11,274.9 2105,274.9 2106.95,275.29 2108.6,276.4 2437.11,604.9 2642.69,604.9
VCC on Power Plane (split plane): 194 vertices, not listed, extent 20,20.03 3705,999.97

## Keep-outs
Keep-Out Layer:
  lines w10: 3524.6,0 200,0 100,0 cw(c100,100) 100,200 150,200 ccw(c150,250) 200,250 200,770 ccw(c150,770) 150,820 100,820 cw(c100,920) 100,1020 200,1020 3524.6,1020 ; 3525,0 3625,0 ccw(c3625,100) 3625,200 3575,200 cw(c3575,250) 3525,250 3525,770 cw(c3575,770) 3575,820 3625,820 ccw(c3625,920) 3625,1020 3525,1020

## Other copper
Component Side:
  region net GND: 1610,295 1805,490 1831.91,490 1831.91,520 1860,520 1880,540 1950,540 1950,555 1800,555 1610,365
  region net GND: 2695,720 2725,720 2725,745 2740,760 2765,760 2780,745 2800,745 2800,785 2795,790 2695,790
  region net NetC26_2: 2230,520 2315,520 2315,655 2230,655
  region net GND: 2735,485 2735,660 2765,660 2845,580 2925,580 2925,485
  region net NetQ6_2: 3215,180 3250,180 3250,280 3215,280
  region net VBB: 3115,275 3115,345 3260,490 3505,490 3505,440 3320,440 3250,370 3250,295 3190,295 3170,275
  region net GND: 1500,140 1620,140 1620,155 1660,195 1660,379.49 1550,379.49 1550,190 1520,160 1515,160 1500,160
  region net NetL3_1: 2410,615 2410,710 2430,730 2620,730 2650,700 2650,660 2685,660 2685,615
  region net 5V: 2325,490 2325,590 2410,590 2410,605 2725,605 2725,490
  region net NetD1_1: 1385,190 1530,190 1530,255 1450,335 1405,335 1405,315 1385,295
  region net GND: 1500,15 1620,15 1620,160 1500,160
  region net C+: 1635,15 1755,15 1755,160 1635,160
  region net GND: 2459.96,255 2459.96,340 2560,340 2560,445 2840,445 2840,290 2805,255
  region net NetQ2_3: 2300,350 2300,430 2550,430 2550,350
  region net C+: 1670,345 1715,390 2000,390 2000,15 1670,15
  region net NetD4_1: 2010,15 2010,340 2260,340 2445,340 2445,170 2375,170 2375,15
  region net VOUT: 2385,160 2455,160 2455,245 2810,245 2885,320 2920,320 3040,320 3040,385 3100,385 3100,280 3100,210 2950,210 2920,180 2920,15 2385,15
  region net L+: 3260,35 3505,35 3505,425 3320,425 3260,365
  region net VBB: 3255,475 3510,475 3510,670 3255,670
  region net GND: 2985,20 3230,20 3230,170 2985,170
  region net B-: 2980,815 3225,815 3225,1005 2980,1005
  region net B+: 3245,820 3245,995 3510,995 3510,680 3255,680 3255,810
  region net B+: 3245,815 3245,1005 3495,1005 3495,815
  region net C+: 1770,445 2000,445 2000,450 1970,480 1805,480
  region net L+: 3250,20 3250,170 3500,170 3500,20
  pour cut-out: 2690,655 2730,655 2735,650 2735,615 2690,615
  pour cut-out: 937.21,187.21 607.21,517.21 cw(c615,525) 622.79,532.79 949.56,206.02 985,206.02 cw(c985,195) 992.79,202.79 1009.21,186.37 cw(c1001.42,178.58) 1012.43,178.58 1012.43,137.13 cw(c1001.42,137.13) 990.4,137.13 990.4,174.02 980.44,183.98 945,183.98 cw(c945,195)
  pour cut-out: 615,517 cw(c615,525) 607,525 cw(c615,525) 615,533 cw(c615,525) 623,525 cw(c615,525)
  pour cut-out: 615,517 cw(c615,525) 607,525 cw(c615,525) 615,533 cw(c615,525) 623,525 cw(c615,525)
  pour cut-out: 615,509 cw(c615,525) 599,525 cw(c615,525) 615,541 cw(c615,525) 631,525 cw(c615,525)
Solder Side:
  region net GND: 2220,640 2280,640 2290,630 2290,625 2335,625 2335,605 2390,605 2390,660 2390,680 2190,680 2190,655 2190,615 2220,615
  region net B-: 2980,810 3230,810 3230,975 3220,985 2980,985
  region net VDD: 2530,440 2550,440 2550,475 2545,480 2535,480 2530,475
  region net NetL4_1: 2220,690 2220,715 2240,715 2240,785 2195,785 2195,690
  region net VCC: 2250,690 2370,690 2370,765 2350,785 2250,785
  region net NetC26_2: 2230,580 2320,580 2320,615 2275,615 2275,630 2230,630
  region net GND: 2985,20 3220,20 3220,255 3220,640 3220,800 2970,800 2905,735 2905,260 2985,180
  region net VBB: 3230,165 3510,165 3510,670 3230,670 3230,525 3280,475 3410,475 3455,430 3455,245 3230,245
  region net L+: 3230,255 3445,255 3445,430 3230,430
  pour cut-out: 212.21,572.21 cw(c220,580) 208.98,580 208.98,745.55 cw(c220,745.55) 212.21,753.34 291.94,833.06 cw(c299.72,825.28) 310.74,825.28 cw(c299.72,825.28) 307.51,817.49 231.02,740.99 231.02,584.56 279.56,536.02 615,536.02 cw(c615,525) 626.02,525 cw(c615,525) 615,513.98 275,513.98 cw(c275,525) 267.21,517.21
  pour cut-out: 615,509 ccw(c615,525) 631,525 ccw(c615,525) 615,541 ccw(c615,525) 599,525 ccw(c615,525)
Ground Plane (plane layer: these items are gaps in the copper):
  pour cut-out: 615,512 cw(c615,525) 602,525 cw(c615,525) 615,538 cw(c615,525) 628,525 cw(c615,525)
  lines w10: 2720,465 2890,465 2955,530 ; 2855,0 2855,225 2950,320
Power Plane (plane layer: these items are gaps in the copper):
  lines w10: 200,0 200,105 245,150 375,150 505,280 2105,280 2435,610 2655,610 ; 640,0 655,15 655,105 665,115 2160,115 2755,710 2925,710 3200,435 3244.9,435 3244.9,0 ; 3250,435 3522.17,435
  lines w20: 3095,0 3244.9,0 ; 3522.17,435 3522.17,787.61

## Silkscreen, mask and mechanical layers (free items; w line width, h text height)
Top Overlay:
  text "battman" at 2495,860 h140
  text "(" at 2300,850 h180
  text ")" at 2415,850 h180
  text "PWR" at 720,120 h20
  text "3V3" at 720,35 h20
Bottom Overlay:
  text "battman v4.0" at 625,505 h30
  text "RC, BY, AM" at 620,460 h20
  text "GND" at 225,400 h20 r270
  text "CANH" at 515,350 h20
  text "CANL" at 615,350 h20
  text "3V3" at 225,165 h20 r270
  text "5V" at 225,85 h20 r270